# EAGLE board Mk4 Final Panel 8up 4x2 (EAGLE 9.0.1), part 8 of 23 (continued)
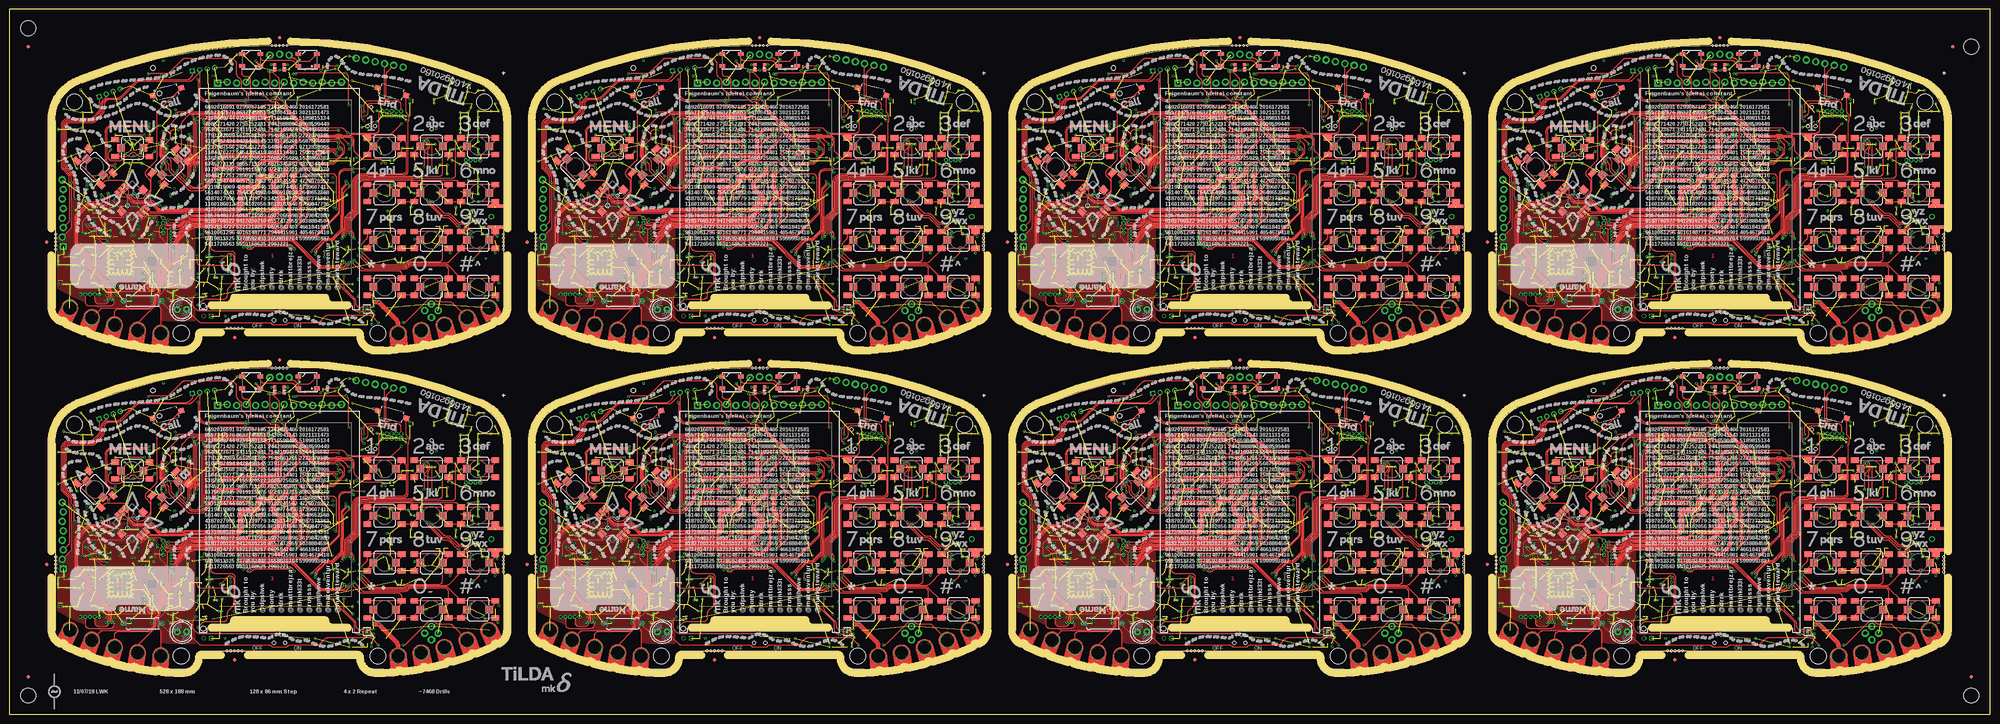
[diagram p0: board, top side]
## Tracks (layer width: path | path; a pad name or v marks a point on that pad's centre or on a via) (continued)
  Top 0.2: S107.B1 478.7,55.25 arc90 477.7,54.25 477.7,40.71 arc-45 477.41,40.01 v477.3,39.9
  Top 0.3: S107.2 488.55,54.55 S107.B2 487.76,55.25 arc45 487.06,54.96 486.89,54.8 arc-45 486.54,54.65 485.46,54.65 arc-45 485.11,54.8 484.94,54.96 arc45 484.24,55.25 S107.B1
  Bottom 0.15: IC103.7 476.65,39.25 v477.3,39.9
BTN_72  (via drill 0.3)
  Top 0.2: v477.63,39.17 479.16,40.7 arc45 479.45,41.4 S108.B1
  Top 0.3: S108.2 488.55,42.05 S108.B2 S108.B1
  Bottom 0.15: IC103.8 476.97,38.75 477.02,38.8 arc45 477.43,38.97 v477.63,39.17
BTN_73  (via drill 0.3)
  Top 0.2: S127.B2 361.61,152.69 arc-45 361.9,151.99 361.9,145.25 arc-90 360.9,144.25 351.31,144.25 351.24,144.18 349.8,144.18 arc90 347.55,141.93 347.55,135.09 arc-45 347.26,134.38 345.62,132.74 arc45 345.32,132.04 345.32,129.31 arc-45 345.03,128.61 344.94,128.52 arc45 344.65,127.81 v344.65,126.85
  Top 0.3: S127.2 360.55,153.05 S127.B2 S127.B1
  Bottom 0.15: IC121.1 345,126.42 arc45 344.94,126.56 v344.65,126.85
BTN_74  (via drill 0.3)
  Top 0.2: S131.2 371.5,144.5 arc-90 370.5,143.5 363.49,143.5 363.44,143.55 351.6,143.55 351.52,143.47 350,143.47 arc90 348.25,141.72 348.25,135.01 arc-45 347.81,133.95 346.39,132.53 arc45 346.1,131.82 346.1,128.81 arc-45 345.81,128.11 v345.7,128
  Top 0.3: S131.2 373.05,153.05 S131.B2 S131.B1
  Bottom 0.15: IC121.3 346,127.29 arc45 v345.71,127.99 v345.7,128
BTN_75  (via drill 0.3)
  Top 0.2: S135.B1 375.29,152.59 arc45 375,151.89 375,144 arc-90 374,143 363.57,143 arc-45 363.43,143.06 363.35,143.14 arc45 363.21,143.2 351.75,143.2 351.67,143.12 350.1,143.12 arc90 348.6,141.62 348.6,134.97 arc-45 348.09,133.73 346.79,132.43 arc45 346.5,131.73 346.5,128.71 arc45 v346.79,128.01 v346.8,128
  Top 0.3: S135.2 385.55,153.05 S135.B2 S135.B1
  Bottom 0.15: IC121.4 346.5,127.29 arc-45 v346.79,127.99 v346.8,128
BTN_76  (via drill 0.3)
  Top 0.2: S130.B2 360.55,117.4 arc90 359.55,118.4 349.91,118.4 arc-45 349.21,118.69 v347.4,120.5
  Top 0.3: S130.2 360.55,115.55 S130.B2 S130.B1
  Bottom 0.15: IC121.14 347,121.31 arc45 347.15,120.95 347.26,120.84 arc-45 v347.4,120.5
BTN_77  (via drill 0.3)
  Top 0.2: S132.B1 363.95,141.55 363.29,142.21 arc45 362.59,142.5 352.03,142.5 351.96,142.43 350.35,142.43 arc90 349.35,141.43 349.35,134.93 arc-45 348.69,133.34 347.59,132.24 arc45 347.3,131.54 347.3,129.19 arc45 347.59,128.48 arc-45 347.85,127.86 v347.85,126.85
  Top 0.3: S132.2 373.05,140.55 S132.B2 S132.B1
  Bottom 0.15: IC121.6 347.5,126.29 arc-45 347.65,126.65 v347.85,126.85
BTN_78  (via drill 0.3)
  Top 0.2: S133.2 371.5,121.7 arc-90 370.5,120.7 362.71,120.7 arc45 362.01,120.41 361.79,120.19 arc-45 361.09,119.9 353.81,119.9 arc-45 353.11,120.19 v349.9,123.4
  Top 0.3: S133.2 373.05,128.05 S133.B2 S133.B1
  Bottom 0.15: IC121.10 349.01,123.75 349.03,123.72 349.16,123.72 arc-45 349.87,123.43 v349.9,123.4
BTN_79  (via drill 0.3)
  Top 0.2: S134.B2 373.05,118.6 arc90 372.05,119.6 363.11,119.6 arc45 362.41,119.31 362.19,119.09 arc-45 361.49,118.8 350.61,118.8 arc-45 349.91,119.09 v347.85,121.15
  Top 0.3: S134.2 373.05,115.55 S134.B2 S134.B1 | S134.B1 363.75,116.25 363.5,116 363.7,116 S134.B1
  Bottom 0.15: IC121.13 347.5,121.5 v347.85,121.15
BTN_80  (via drill 0.3)
  Top 0.2: S136.B1 375.49,142.21 arc45 374.79,142.5 363.58,142.5 arc-45 363.44,142.56 arc45 362.73,142.85 351.89,142.85 351.81,142.78 350.25,142.78 arc90 349,141.53 349,134.97 arc-45 348.41,133.56 347.19,132.34 arc45 346.9,131.63 346.9,129.09 arc45 347.19,128.38 arc-45 347.35,128.01 347.35,127.77 347.3,127.72 v347.3,127.4
  Top 0.3: S136.2 385.55,140.55 S136.B2 S136.B1
  Bottom 0.15: IC121.5 347,126.69 arc-45 v347.29,127.39 v347.3,127.4
BTN_81  (via drill 0.3)
  Top 0.2: v349.8,122.5 352.46,119.84 arc45 353.16,119.55 361.23,119.55 arc45 361.94,119.84 362.1,120.01 arc-45 362.81,120.3 372.39,120.3 arc45 373.09,120.59 376.45,123.95 S137.B2
  Top 0.3: S137.2 376.45,124.95 S137.B2 380.9,124.25 381.25,124.6 381.75,124.6 382.1,124.25 S137.B1
  Bottom 0.15: IC121.11 348.64,123.25 arc-45 349.34,122.96 v349.8,122.5
BTN_82  (via drill 0.3)
  Top 0.2: S138.B1 373.04,119.66 arc45 372.34,119.95 362.95,119.95 arc45 362.25,119.66 362.08,119.49 arc-45 361.38,119.2 352.61,119.2 arc-45 351.91,119.49 v349.05,122.35
  Top 0.3: S138.2 385.26,115.26 arc45 385.55,115.96 S138.B2 S138.B1
  Bottom 0.15: IC121.12 348.65,122.75 v349.05,122.35
BTN_83  (via drill 0.3)
  Top 0.2: S128.B1 350.7,141.25 arc90 349.7,140.25 349.7,126.71 arc-45 349.41,126.01 v349.3,125.9
  Top 0.3: S128.2 360.55,140.55 S128.B2 359.76,141.25 arc45 359.06,140.96 358.89,140.8 arc-45 358.54,140.65 357.46,140.65 arc-45 357.11,140.8 356.94,140.96 arc45 356.24,141.25 S128.B1
  Bottom 0.15: IC121.7 348.65,125.25 v349.3,125.9
BTN_84  (via drill 0.3)
  Top 0.2: v349.63,125.17 351.16,126.7 arc45 351.45,127.4 S129.B1
  Top 0.3: S129.2 360.55,128.05 S129.B2 S129.B1
  Bottom 0.15: IC121.8 348.97,124.75 349.02,124.8 arc45 349.43,124.97 v349.63,125.17
BTN_85  (via drill 0.3)
  Top 0.2: S148.B2 489.61,152.69 arc-45 489.9,151.99 489.9,145.25 arc-90 488.9,144.25 479.31,144.25 479.24,144.18 477.8,144.18 arc90 475.55,141.93 475.55,135.09 arc-45 475.26,134.38 473.62,132.74 arc45 473.32,132.04 473.32,129.31 arc-45 473.03,128.61 472.94,128.52 arc45 472.65,127.81 v472.65,126.85
  Top 0.3: S148.2 488.55,153.05 S148.B2 S148.B1
  Bottom 0.15: IC139.1 473,126.42 arc45 472.94,126.56 v472.65,126.85
BTN_86  (via drill 0.3)
  Top 0.2: S152.2 499.5,144.5 arc-90 498.5,143.5 491.49,143.5 491.44,143.55 479.6,143.55 479.52,143.47 478,143.47 arc90 476.25,141.72 476.25,135.01 arc-45 475.81,133.95 474.39,132.53 arc45 474.1,131.82 474.1,128.81 arc-45 473.81,128.11 v473.7,128
  Top 0.3: S152.2 501.05,153.05 S152.B2 S152.B1
  Bottom 0.15: IC139.3 474,127.29 arc45 v473.71,127.99 v473.7,128
BTN_87  (via drill 0.3)
  Top 0.2: S156.B1 503.29,152.59 arc45 503,151.89 503,144 arc-90 502,143 491.57,143 arc-45 491.43,143.06 491.35,143.14 arc45 491.21,143.2 479.75,143.2 479.67,143.12 478.1,143.12 arc90 476.6,141.62 476.6,134.97 arc-45 476.09,133.73 474.79,132.43 arc45 474.5,131.73 474.5,128.71 arc45 v474.79,128.01 v474.8,128
  Top 0.3: S156.2 513.55,153.05 S156.B2 S156.B1
  Bottom 0.15: IC139.4 474.5,127.29 arc-45 v474.79,127.99 v474.8,128
BTN_88  (via drill 0.3)
  Top 0.2: S151.B2 488.55,117.4 arc90 487.55,118.4 477.91,118.4 arc-45 477.21,118.69 v475.4,120.5
  Top 0.3: S151.2 488.55,115.55 S151.B2 S151.B1
  Bottom 0.15: IC139.14 475,121.31 arc45 475.15,120.95 475.26,120.84 arc-45 v475.4,120.5
BTN_89  (via drill 0.3)
  Top 0.2: S153.B1 491.95,141.55 491.29,142.21 arc45 490.59,142.5 480.03,142.5 479.96,142.43 478.35,142.43 arc90 477.35,141.43 477.35,134.93 arc-45 476.69,133.34 475.59,132.24 arc45 475.3,131.54 475.3,129.19 arc45 475.59,128.48 arc-45 475.85,127.86 v475.85,126.85
  Top 0.3: S153.2 501.05,140.55 S153.B2 S153.B1
  Bottom 0.15: IC139.6 475.5,126.29 arc-45 475.65,126.65 v475.85,126.85
BTN_90  (via drill 0.3)
  Top 0.2: S154.2 499.5,121.7 arc-90 498.5,120.7 490.71,120.7 arc45 490.01,120.41 489.79,120.19 arc-45 489.09,119.9 481.81,119.9 arc-45 481.11,120.19 v477.9,123.4
  Top 0.3: S154.2 501.05,128.05 S154.B2 S154.B1
  Bottom 0.15: IC139.10 477.01,123.75 477.03,123.72 477.16,123.72 arc-45 477.87,123.43 v477.9,123.4
BTN_91  (via drill 0.3)
  Top 0.2: S155.B2 501.05,118.6 arc90 500.05,119.6 491.11,119.6 arc45 490.41,119.31 490.19,119.09 arc-45 489.49,118.8 478.61,118.8 arc-45 477.91,119.09 v475.85,121.15
  Top 0.3: S155.2 501.05,115.55 S155.B2 S155.B1 | S155.B1 491.75,116.25 491.5,116 491.7,116 S155.B1
  Bottom 0.15: IC139.13 475.5,121.5 v475.85,121.15
BTN_92  (via drill 0.3)
  Top 0.2: S157.B1 503.49,142.21 arc45 502.79,142.5 491.58,142.5 arc-45 491.44,142.56 arc45 490.73,142.85 479.89,142.85 479.81,142.78 478.25,142.78 arc90 477,141.53 477,134.97 arc-45 476.41,133.56 475.19,132.34 arc45 474.9,131.63 474.9,129.09 arc45 475.19,128.38 arc-45 475.35,128.01 475.35,127.77 475.3,127.72 v475.3,127.4
  Top 0.3: S157.2 513.55,140.55 S157.B2 S157.B1
  Bottom 0.15: IC139.5 475,126.69 arc-45 v475.29,127.39 v475.3,127.4
BTN_93  (via drill 0.3)
  Top 0.2: v477.8,122.5 480.46,119.84 arc45 481.16,119.55 489.23,119.55 arc45 489.94,119.84 490.1,120.01 arc-45 490.81,120.3 500.39,120.3 arc45 501.09,120.59 504.45,123.95 S158.B2
  Top 0.3: S158.2 504.45,124.95 S158.B2 508.9,124.25 509.25,124.6 509.75,124.6 510.1,124.25 S158.B1
  Bottom 0.15: IC139.11 476.64,123.25 arc-45 477.34,122.96 v477.8,122.5
BTN_94  (via drill 0.3)
  Top 0.2: S159.B1 501.04,119.66 arc45 500.34,119.95 490.95,119.95 arc45 490.25,119.66 490.08,119.49 arc-45 489.38,119.2 480.61,119.2 arc-45 479.91,119.49 v477.05,122.35
  Top 0.3: S159.2 513.26,115.26 arc45 513.55,115.96 S159.B2 S159.B1
  Bottom 0.15: IC139.12 476.65,122.75 v477.05,122.35
BTN_95  (via drill 0.3)
  Top 0.2: S149.B1 478.7,141.25 arc90 477.7,140.25 477.7,126.71 arc-45 477.41,126.01 v477.3,125.9
  Top 0.3: S149.2 488.55,140.55 S149.B2 487.76,141.25 arc45 487.06,140.96 486.89,140.8 arc-45 486.54,140.65 485.46,140.65 arc-45 485.11,140.8 484.94,140.96 arc45 484.24,141.25 S149.B1
  Bottom 0.15: IC139.7 476.65,125.25 v477.3,125.9
BTN_96  (via drill 0.3)
  Top 0.2: v477.63,125.17 479.16,126.7 arc45 479.45,127.4 S150.B1
  Top 0.3: S150.2 488.55,128.05 S150.B2 S150.B1
  Bottom 0.15: IC139.8 476.97,124.75 477.02,124.8 arc45 477.43,124.97 v477.63,125.17
BTN_A  (via drill 0.3)
  Top 0.15: v61,39.4 61.81,40.21 arc-45 62.51,40.5 74.98,40.5 arc-45 75.87,40.13 82.43,33.57 arc45 83.32,33.2 88.69,33.2 arc45 89.39,33.49 v90,34.1 | S13.B1 25.34,56.11 arc-45 26.05,56.4 30.19,56.4 arc-45 30.89,56.11 32.91,54.09 arc-45 33.2,53.39 v33.2,53
  Top 0.3: S13.2 20.18,61.63 S13.B2 S13.B1
  Bottom 0.15: IC4.16 v90,34.1 | v61,39.4 60.81,39.4 arc-45 60.11,39.69 57.99,41.81 arc45 57.11,42.17 56.19,42.17 arc-45 55.31,42.54 51.72,46.13 arc45 50.83,46.5 43.75,46.5 arc-45 43.61,46.56 43.4,46.77 arc45 43.26,46.83 42.72,46.83 arc-45 41.83,47.19 40.09,48.93 arc45 39.21,49.3 36.94,49.3 arc-45 36.23,49.59 35.29,50.53 arc45 34.41,50.9 34.2,50.9 arc-90 33.2,51.9 v33.2,53
BTN_A1  (via drill 0.3)
  Top 0.15: v189,39.4 189.81,40.21 arc-45 190.51,40.5 202.98,40.5 arc-45 203.87,40.13 210.43,33.57 arc45 211.32,33.2 216.69,33.2 arc45 217.39,33.49 v218,34.1 | S35.B1 153.34,56.11 arc-45 154.05,56.4 158.19,56.4 arc-45 158.89,56.11 160.91,54.09 arc-45 161.2,53.39 v161.2,53
  Top 0.3: S35.2 148.18,61.63 S35.B2 S35.B1
  Bottom 0.15: IC31.16 v218,34.1 | v189,39.4 188.81,39.4 arc-45 188.11,39.69 185.99,41.81 arc45 185.11,42.17 184.19,42.17 arc-45 183.31,42.54 179.72,46.13 arc45 178.83,46.5 171.75,46.5 arc-45 171.61,46.56 171.4,46.77 arc45 171.26,46.83 170.72,46.83 arc-45 169.83,47.19 168.09,48.93 arc45 167.21,49.3 164.94,49.3 arc-45 164.23,49.59 163.29,50.53 arc45 162.41,50.9 162.2,50.9 arc-90 161.2,51.9 v161.2,53
BTN_A2  (via drill 0.3)
  Top 0.15: v61,125.4 61.81,126.21 arc-45 62.51,126.5 74.98,126.5 arc-45 75.87,126.13 82.43,119.57 arc45 83.32,119.2 88.69,119.2 arc45 89.39,119.49 v90,120.1 | S56.B1 25.34,142.11 arc-45 26.05,142.4 30.19,142.4 arc-45 30.89,142.11 32.91,140.09 arc-45 33.2,139.39 v33.2,139
  Top 0.3: S56.2 20.18,147.63 S56.B2 S56.B1
  Bottom 0.15: IC49.16 v90,120.1 | v61,125.4 60.81,125.4 arc-45 60.11,125.69 57.99,127.81 arc45 57.11,128.18 56.19,128.18 arc-45 55.31,128.54 51.72,132.13 arc45 50.83,132.5 43.75,132.5 arc-45 43.61,132.56 43.4,132.77 arc45 43.26,132.82 42.72,132.82 arc-45 41.83,133.19 40.09,134.93 arc45 39.21,135.3 36.94,135.3 arc-45 36.23,135.59 35.29,136.53 arc45 34.41,136.9 34.2,136.9 arc-90 33.2,137.9 v33.2,139
BTN_A3  (via drill 0.3)
  Top 0.15: v189,125.4 189.81,126.21 arc-45 190.51,126.5 202.98,126.5 arc-45 203.87,126.13 210.43,119.57 arc45 211.32,119.2 216.69,119.2 arc45 217.39,119.49 v218,120.1 | S77.B1 153.34,142.11 arc-45 154.05,142.4 158.19,142.4 arc-45 158.89,142.11 160.91,140.09 arc-45 161.2,139.39 v161.2,139
  Top 0.3: S77.2 148.18,147.63 S77.B2 S77.B1
  Bottom 0.15: IC67.16 v218,120.1 | v189,125.4 188.81,125.4 arc-45 188.11,125.69 185.99,127.81 arc45 185.11,128.18 184.19,128.18 arc-45 183.31,128.54 179.72,132.13 arc45 178.83,132.5 171.75,132.5 arc-45 171.61,132.56 171.4,132.77 arc45 171.26,132.82 170.72,132.82 arc-45 169.83,133.19 168.09,134.93 arc45 167.21,135.3 164.94,135.3 arc-45 164.23,135.59 163.29,136.53 arc45 162.41,136.9 162.2,136.9 arc-90 161.2,137.9 v161.2,139
BTN_A4  (via drill 0.3)
  Top 0.15: v317,39.4 317.81,40.21 arc-45 318.51,40.5 330.98,40.5 arc-45 331.87,40.13 338.43,33.57 arc45 339.32,33.2 344.69,33.2 arc45 345.39,33.49 v346,34.1 | S98.B1 281.34,56.11 arc-45 282.05,56.4 286.19,56.4 arc-45 286.89,56.11 288.91,54.09 arc-45 289.2,53.39 v289.2,53
  Top 0.3: S98.2 276.18,61.63 S98.B2 S98.B1
  Bottom 0.15: IC85.16 v346,34.1 | v317,39.4 316.81,39.4 arc-45 316.11,39.69 313.99,41.81 arc45 313.11,42.17 312.19,42.17 arc-45 311.31,42.54 307.72,46.13 arc45 306.83,46.5 299.75,46.5 arc-45 299.61,46.56 299.4,46.77 arc45 299.26,46.83 298.72,46.83 arc-45 297.83,47.19 296.09,48.93 arc45 295.21,49.3 292.94,49.3 arc-45 292.23,49.59 291.29,50.53 arc45 290.41,50.9 290.2,50.9 arc-90 289.2,51.9 v289.2,53
BTN_A5  (via drill 0.3)
  Top 0.15: v445,39.4 445.81,40.21 arc-45 446.51,40.5 458.98,40.5 arc-45 459.87,40.13 466.43,33.57 arc45 467.32,33.2 472.69,33.2 arc45 473.39,33.49 v474,34.1 | S119.B1 409.34,56.11 arc-45 410.05,56.4 414.19,56.4 arc-45 414.89,56.11 416.91,54.09 arc-45 417.2,53.39 v417.2,53
  Top 0.3: S119.2 404.18,61.63 S119.B2 S119.B1
  Bottom 0.15: IC103.16 v474,34.1 | v445,39.4 444.81,39.4 arc-45 444.11,39.69 441.99,41.81 arc45 441.11,42.17 440.19,42.17 arc-45 439.31,42.54 435.72,46.13 arc45 434.83,46.5 427.75,46.5 arc-45 427.61,46.56 427.4,46.77 arc45 427.26,46.83 426.72,46.83 arc-45 425.83,47.19 424.09,48.93 arc45 423.21,49.3 420.94,49.3 arc-45 420.23,49.59 419.29,50.53 arc45 418.41,50.9 418.2,50.9 arc-90 417.2,51.9 v417.2,53
BTN_A6  (via drill 0.3)
  Top 0.15: v317,125.4 317.81,126.21 arc-45 318.51,126.5 330.98,126.5 arc-45 331.87,126.13 338.43,119.57 arc45 339.32,119.2 344.69,119.2 arc45 345.39,119.49 v346,120.1 | S140.B1 281.34,142.11 arc-45 282.05,142.4 286.19,142.4 arc-45 286.89,142.11 288.91,140.09 arc-45 289.2,139.39 v289.2,139
  Top 0.3: S140.2 276.18,147.63 S140.B2 S140.B1
  Bottom 0.15: IC121.16 v346,120.1 | v317,125.4 316.81,125.4 arc-45 316.11,125.69 313.99,127.81 arc45 313.11,128.18 312.19,128.18 arc-45 311.31,128.54 307.72,132.13 arc45 306.83,132.5 299.75,132.5 arc-45 299.61,132.56 299.4,132.77 arc45 299.26,132.82 298.72,132.82 arc-45 297.83,133.19 296.09,134.93 arc45 295.21,135.3 292.94,135.3 arc-45 292.23,135.59 291.29,136.53 arc45 290.41,136.9 290.2,136.9 arc-90 289.2,137.9 v289.2,139
BTN_A7  (via drill 0.3)
  Top 0.15: v445,125.4 445.81,126.21 arc-45 446.51,126.5 458.98,126.5 arc-45 459.87,126.13 466.43,119.57 arc45 467.32,119.2 472.69,119.2 arc45 473.39,119.49 v474,120.1 | S161.B1 409.34,142.11 arc-45 410.05,142.4 414.19,142.4 arc-45 414.89,142.11 416.91,140.09 arc-45 417.2,139.39 v417.2,139
  Top 0.3: S161.2 404.18,147.63 S161.B2 S161.B1
  Bottom 0.15: IC139.16 v474,120.1 | v445,125.4 444.81,125.4 arc-45 444.11,125.69 441.99,127.81 arc45 441.11,128.18 440.19,128.18 arc-45 439.31,128.54 435.72,132.13 arc45 434.83,132.5 427.75,132.5 arc-45 427.61,132.56 427.4,132.77 arc45 427.26,132.82 426.72,132.82 arc-45 425.83,133.19 424.09,134.93 arc45 423.21,135.3 420.94,135.3 arc-45 420.23,135.59 419.29,136.53 arc45 418.41,136.9 418.2,136.9 arc-90 417.2,137.9 v417.2,139
BTN_B  (via drill 0.3)
  Top 0.15: v89.4,34.6 88.59,33.79 arc-45 87.89,33.5 83.41,33.5 arc-45 82.71,33.79 76.09,40.41 arc45 75.03,40.85 62.06,40.85 arc45 61.36,40.56 v61,40.2 | S15.B2 43.52,63.9 v42,63.9 | v39,59.5 arc-45 38.92,59.3 S15.B1 37.8,58.18 37.8,53.82 arc-45 37.43,52.93 36.86,52.36 arc90 36.86,51.65 37.41,51.1 arc45 37.77,50.95 38.14,50.95 arc-45 38.5,50.8 39.21,50.09 arc45 39.91,49.8 v40,49.8
  Top 0.3: S15.2 44.92,64.31 S15.B2
  Bottom 0.15: IC4.17 89.5,34.7 v89.4,34.6 | v61,40.2 60.44,40.2 arc-45 59.73,40.49 58.19,42.04 arc45 57.13,42.48 56.22,42.48 arc-45 55.51,42.77 51.91,46.36 arc45 50.85,46.8 43.87,46.8 arc-45 43.73,46.86 43.52,47.07 arc45 43.38,47.12 42.79,47.12 arc-45 42.08,47.42 40.15,49.35 arc-45 40,49.71 v40,49.8 | v42,63.9 39.29,61.19 arc45 39,60.49 v39,59.5
BTN_B1  (via drill 0.3)
  Top 0.15: v217.4,34.6 216.59,33.79 arc-45 215.89,33.5 211.41,33.5 arc-45 210.71,33.79 204.09,40.41 arc45 203.03,40.85 190.06,40.85 arc45 189.36,40.56 v189,40.2 | S34.B2 171.52,63.9 v170,63.9 | v167,59.5 arc-45 166.92,59.3 S34.B1 165.8,58.18 165.8,53.82 arc-45 165.43,52.93 164.86,52.36 arc90 164.86,51.65 165.41,51.1 arc45 165.76,50.95 166.14,50.95 arc-45 166.5,50.8 167.21,50.09 arc45 167.91,49.8 v168,49.8
  Top 0.3: S34.2 172.92,64.31 S34.B2
  Bottom 0.15: IC31.17 217.5,34.7 v217.4,34.6 | v189,40.2 188.44,40.2 arc-45 187.73,40.49 186.19,42.04 arc45 185.13,42.48 184.22,42.48 arc-45 183.51,42.77 179.92,46.36 arc45 178.85,46.8 171.87,46.8 arc-45 171.73,46.86 171.53,47.07 arc45 171.38,47.12 170.79,47.12 arc-45 170.08,47.42 168.15,49.35 arc-45 168,49.71 v168,49.8 | v170,63.9 167.29,61.19 arc45 167,60.49 v167,59.5
BTN_B2  (via drill 0.3)
  Top 0.15: v89.4,120.6 88.59,119.79 arc-45 87.89,119.5 83.41,119.5 arc-45 82.71,119.79 76.09,126.41 arc45 75.03,126.85 62.06,126.85 arc45 61.36,126.56 v61,126.2 | S55.B2 43.52,149.9 v42,149.9 | v39,145.5 arc-45 38.92,145.3 S55.B1 37.8,144.18 37.8,139.82 arc-45 37.43,138.93 36.86,138.36 arc90 36.86,137.65 37.41,137.1 arc45 37.77,136.95 38.14,136.95 arc-45 38.5,136.8 39.21,136.09 arc45 39.91,135.8 v40,135.8
  Top 0.3: S55.2 44.92,150.31 S55.B2
  Bottom 0.15: IC49.17 89.5,120.7 v89.4,120.6 | v61,126.2 60.44,126.2 arc-45 59.73,126.49 58.19,128.04 arc45 57.13,128.47 56.22,128.47 arc-45 55.51,128.77 51.91,132.36 arc45 50.85,132.8 43.87,132.8 arc-45 43.73,132.86 43.52,133.07 arc45 43.38,133.12 42.79,133.12 arc-45 42.08,133.42 40.15,135.35 arc-45 40,135.71 v40,135.8 | v42,149.9 39.29,147.19 arc45 39,146.49 v39,145.5
BTN_B3  (via drill 0.3)
  Top 0.15: v217.4,120.6 216.59,119.79 arc-45 215.89,119.5 211.41,119.5 arc-45 210.71,119.79 204.09,126.41 arc45 203.03,126.85 190.06,126.85 arc45 189.36,126.56 v189,126.2 | S76.B2 171.52,149.9 v170,149.9 | v167,145.5 arc-45 166.92,145.3 S76.B1 165.8,144.18 165.8,139.82 arc-45 165.43,138.93 164.86,138.36 arc90 164.86,137.65 165.41,137.1 arc45 165.76,136.95 166.14,136.95 arc-45 166.5,136.8 167.21,136.09 arc45 167.91,135.8 v168,135.8
  Top 0.3: S76.2 172.92,150.31 S76.B2
  Bottom 0.15: IC67.17 217.5,120.7 v217.4,120.6 | v189,126.2 188.44,126.2 arc-45 187.73,126.49 186.19,128.04 arc45 185.13,128.47 184.22,128.47 arc-45 183.51,128.77 179.92,132.36 arc45 178.85,132.8 171.87,132.8 arc-45 171.73,132.86 171.53,133.07 arc45 171.38,133.12 170.79,133.12 arc-45 170.08,133.42 168.15,135.35 arc-45 168,135.71 v168,135.8 | v170,149.9 167.29,147.19 arc45 167,146.49 v167,145.5
BTN_B4  (via drill 0.3)
  Top 0.15: v345.4,34.6 344.59,33.79 arc-45 343.89,33.5 339.41,33.5 arc-45 338.71,33.79 332.09,40.41 arc45 331.03,40.85 318.06,40.85 arc45 317.36,40.56 v317,40.2 | S97.B2 299.52,63.9 v298,63.9 | v295,59.5 arc-45 294.92,59.3 S97.B1 293.8,58.18 293.8,53.82 arc-45 293.43,52.93 292.86,52.36 arc90 292.86,51.65 293.41,51.1 arc45 293.76,50.95 294.14,50.95 arc-45 294.5,50.8 295.21,50.09 arc45 295.91,49.8 v296,49.8
  Top 0.3: S97.2 300.92,64.31 S97.B2
  Bottom 0.15: IC85.17 345.5,34.7 v345.4,34.6 | v317,40.2 316.44,40.2 arc-45 315.73,40.49 314.19,42.04 arc45 313.13,42.48 312.22,42.48 arc-45 311.51,42.77 307.91,46.36 arc45 306.85,46.8 299.87,46.8 arc-45 299.73,46.86 299.52,47.07 arc45 299.38,47.12 298.79,47.12 arc-45 298.08,47.42 296.15,49.35 arc-45 296,49.71 v296,49.8 | v298,63.9 295.29,61.19 arc45 295,60.49 v295,59.5
BTN_B5  (via drill 0.3)
  Top 0.15: v473.4,34.6 472.59,33.79 arc-45 471.89,33.5 467.41,33.5 arc-45 466.71,33.79 460.09,40.41 arc45 459.03,40.85 446.06,40.85 arc45 445.36,40.56 v445,40.2 | S118.B2 427.52,63.9 v426,63.9 | v423,59.5 arc-45 422.92,59.3 S118.B1 421.8,58.18 421.8,53.82 arc-45 421.43,52.93 420.86,52.36 arc90 420.86,51.65 421.41,51.1 arc45 421.76,50.95 422.14,50.95 arc-45 422.5,50.8 423.21,50.09 arc45 423.91,49.8 v424,49.8
  Top 0.3: S118.2 428.92,64.31 S118.B2
  Bottom 0.15: IC103.17 473.5,34.7 v473.4,34.6 | v445,40.2 444.44,40.2 arc-45 443.73,40.49 442.19,42.04 arc45 441.13,42.48 440.21,42.48 arc-45 439.51,42.77 435.92,46.36 arc45 434.85,46.8 427.87,46.8 arc-45 427.73,46.86 427.52,47.07 arc45 427.38,47.12 426.79,47.12 arc-45 426.08,47.42 424.15,49.35 arc-45 424,49.71 v424,49.8 | v426,63.9 423.29,61.19 arc45 423,60.49 v423,59.5
BTN_B6  (via drill 0.3)
  Top 0.15: v345.4,120.6 344.59,119.79 arc-45 343.89,119.5 339.41,119.5 arc-45 338.71,119.79 332.09,126.41 arc45 331.03,126.85 318.06,126.85 arc45 317.36,126.56 v317,126.2 | S139.B2 299.52,149.9 v298,149.9 | v295,145.5 arc-45 294.92,145.3 S139.B1 293.8,144.18 293.8,139.82 arc-45 293.43,138.93 292.86,138.36 arc90 292.86,137.65 293.41,137.1 arc45 293.76,136.95 294.14,136.95 arc-45 294.5,136.8 295.21,136.09 arc45 295.91,135.8 v296,135.8
  Top 0.3: S139.2 300.92,150.31 S139.B2
  Bottom 0.15: IC121.17 345.5,120.7 v345.4,120.6 | v317,126.2 316.44,126.2 arc-45 315.73,126.49 314.19,128.04 arc45 313.13,128.47 312.22,128.47 arc-45 311.51,128.77 307.91,132.36 arc45 306.85,132.8 299.87,132.8 arc-45 299.73,132.86 299.52,133.07 arc45 299.38,133.12 298.79,133.12 arc-45 298.08,133.42 296.15,135.35 arc-45 296,135.71 v296,135.8 | v298,149.9 295.29,147.19 arc45 295,146.49 v295,145.5
BTN_B7  (via drill 0.3)
  Top 0.15: v473.4,120.6 472.59,119.79 arc-45 471.89,119.5 467.41,119.5 arc-45 466.71,119.79 460.09,126.41 arc45 459.03,126.85 446.06,126.85 arc45 445.36,126.56 v445,126.2 | S160.B2 427.52,149.9 v426,149.9 | v423,145.5 arc-45 422.92,145.3 S160.B1 421.8,144.18 421.8,139.82 arc-45 421.43,138.93 420.86,138.36 arc90 420.86,137.65 421.41,137.1 arc45 421.76,136.95 422.14,136.95 arc-45 422.5,136.8 423.21,136.09 arc45 423.91,135.8 v424,135.8
  Top 0.3: S160.2 428.92,150.31 S160.B2
  Bottom 0.15: IC139.17 473.5,120.7 v473.4,120.6 | v445,126.2 444.44,126.2 arc-45 443.73,126.49 442.19,128.04 arc45 441.13,128.47 440.21,128.47 arc-45 439.51,128.77 435.92,132.36 arc45 434.85,132.8 427.87,132.8 arc-45 427.73,132.86 427.52,133.07 arc45 427.38,133.12 426.79,133.12 arc-45 426.08,133.42 424.15,135.35 arc-45 424,135.71 v424,135.8 | v426,149.9 423.29,147.19 arc45 423,146.49 v423,145.5
BTN_CALL  (via drill 0.3)
  Top 0.15: v90.65,34.6 90.65,34.26 arc-45 90.36,33.56 89.99,33.19 arc-45 89.29,32.9 83.22,32.9 arc-45 82.16,33.34 75.59,39.91 arc45 74.89,40.2 63.01,40.2 arc45 62.31,39.91 v61.8,39.4 | S16.2 39.86,75.1 arc45 39.27,73.69 39.27,62.19 arc-45 38.98,61.48 36.46,58.96 arc90 36.46,57.54 37.21,56.79 arc-45 37.5,56.09 37.5,53.91 arc-45 37.21,53.21 35.79,51.79 arc-45 35.08,51.49 34.02,51.49 arc-45 33.31,51.79 v32.6,52.5
  Bottom 0.15: IC4.15 90.5,34.75 v90.65,34.6 | v61.8,39.4 61.38,38.98 arc-90 60.32,38.98 57.72,41.58 arc45 57.01,41.88 56.17,41.88 arc-45 55.11,42.31 51.52,45.91 arc45 50.81,46.2 43.62,46.2 arc-45 43.48,46.26 43.28,46.47 arc45 43.14,46.52 42.7,46.52 arc-45 41.64,46.96 39.89,48.71 arc45 39.19,49 36.92,49 arc-45 36.03,49.37 35.09,50.31 arc45 34.39,50.6 33.85,50.6 arc-90 32.6,51.85 v32.6,52.5
BTN_CALL1  (via drill 0.3)
  Top 0.15: v218.65,34.6 218.65,34.26 arc-45 218.36,33.56 217.99,33.19 arc-45 217.29,32.9 211.22,32.9 arc-45 210.16,33.34 203.59,39.91 arc45 202.89,40.2 191.01,40.2 arc45 190.31,39.91 v189.8,39.4 | S37.2 167.86,75.1 arc45 167.28,73.69 167.28,62.19 arc-45 166.98,61.48 164.46,58.96 arc90 164.46,57.54 165.21,56.79 arc-45 165.5,56.09 165.5,53.91 arc-45 165.21,53.21 163.79,51.79 arc-45 163.08,51.49 162.02,51.49 arc-45 161.31,51.79 v160.6,52.5
  Bottom 0.15: IC31.15 218.5,34.75 v218.65,34.6 | v189.8,39.4 189.38,38.98 arc-90 188.32,38.98 185.72,41.58 arc45 185.01,41.88 184.17,41.88 arc-45 183.11,42.31 179.52,45.91 arc45 178.81,46.2 171.62,46.2 arc-45 171.48,46.26 171.28,46.47 arc45 171.13,46.52 170.7,46.52 arc-45 169.64,46.96 167.89,48.71 arc45 167.19,49 164.92,49 arc-45 164.03,49.37 163.09,50.31 arc45 162.39,50.6 161.85,50.6 arc-90 160.6,51.85 v160.6,52.5
BTN_CALL2  (via drill 0.3)
  Top 0.15: v90.65,120.6 90.65,120.26 arc-45 90.36,119.56 89.99,119.19 arc-45 89.29,118.9 83.22,118.9 arc-45 82.16,119.34 75.59,125.91 arc45 74.89,126.2 63.01,126.2 arc45 62.31,125.91 v61.8,125.4 | S58.2 39.86,161.1 arc45 39.27,159.69 39.27,148.19 arc-45 38.98,147.48 36.46,144.96 arc90 36.46,143.54 37.21,142.79 arc-45 37.5,142.09 37.5,139.91 arc-45 37.21,139.21 35.79,137.79 arc-45 35.08,137.49 34.02,137.49 arc-45 33.31,137.79 v32.6,138.5
  Bottom 0.15: IC49.15 90.5,120.75 v90.65,120.6 | v61.8,125.4 61.38,124.98 arc-90 60.32,124.98 57.72,127.58 arc45 57.01,127.88 56.17,127.88 arc-45 55.11,128.31 51.52,131.91 arc45 50.81,132.2 43.62,132.2 arc-45 43.48,132.26 43.28,132.47 arc45 43.14,132.53 42.7,132.53 arc-45 41.64,132.96 39.89,134.71 arc45 39.19,135 36.92,135 arc-45 36.03,135.37 35.09,136.31 arc45 34.39,136.6 33.85,136.6 arc-90 32.6,137.85 v32.6,138.5
BTN_CALL3  (via drill 0.3)